# Allegro board 6089-103-RevA_73.brd (continued)
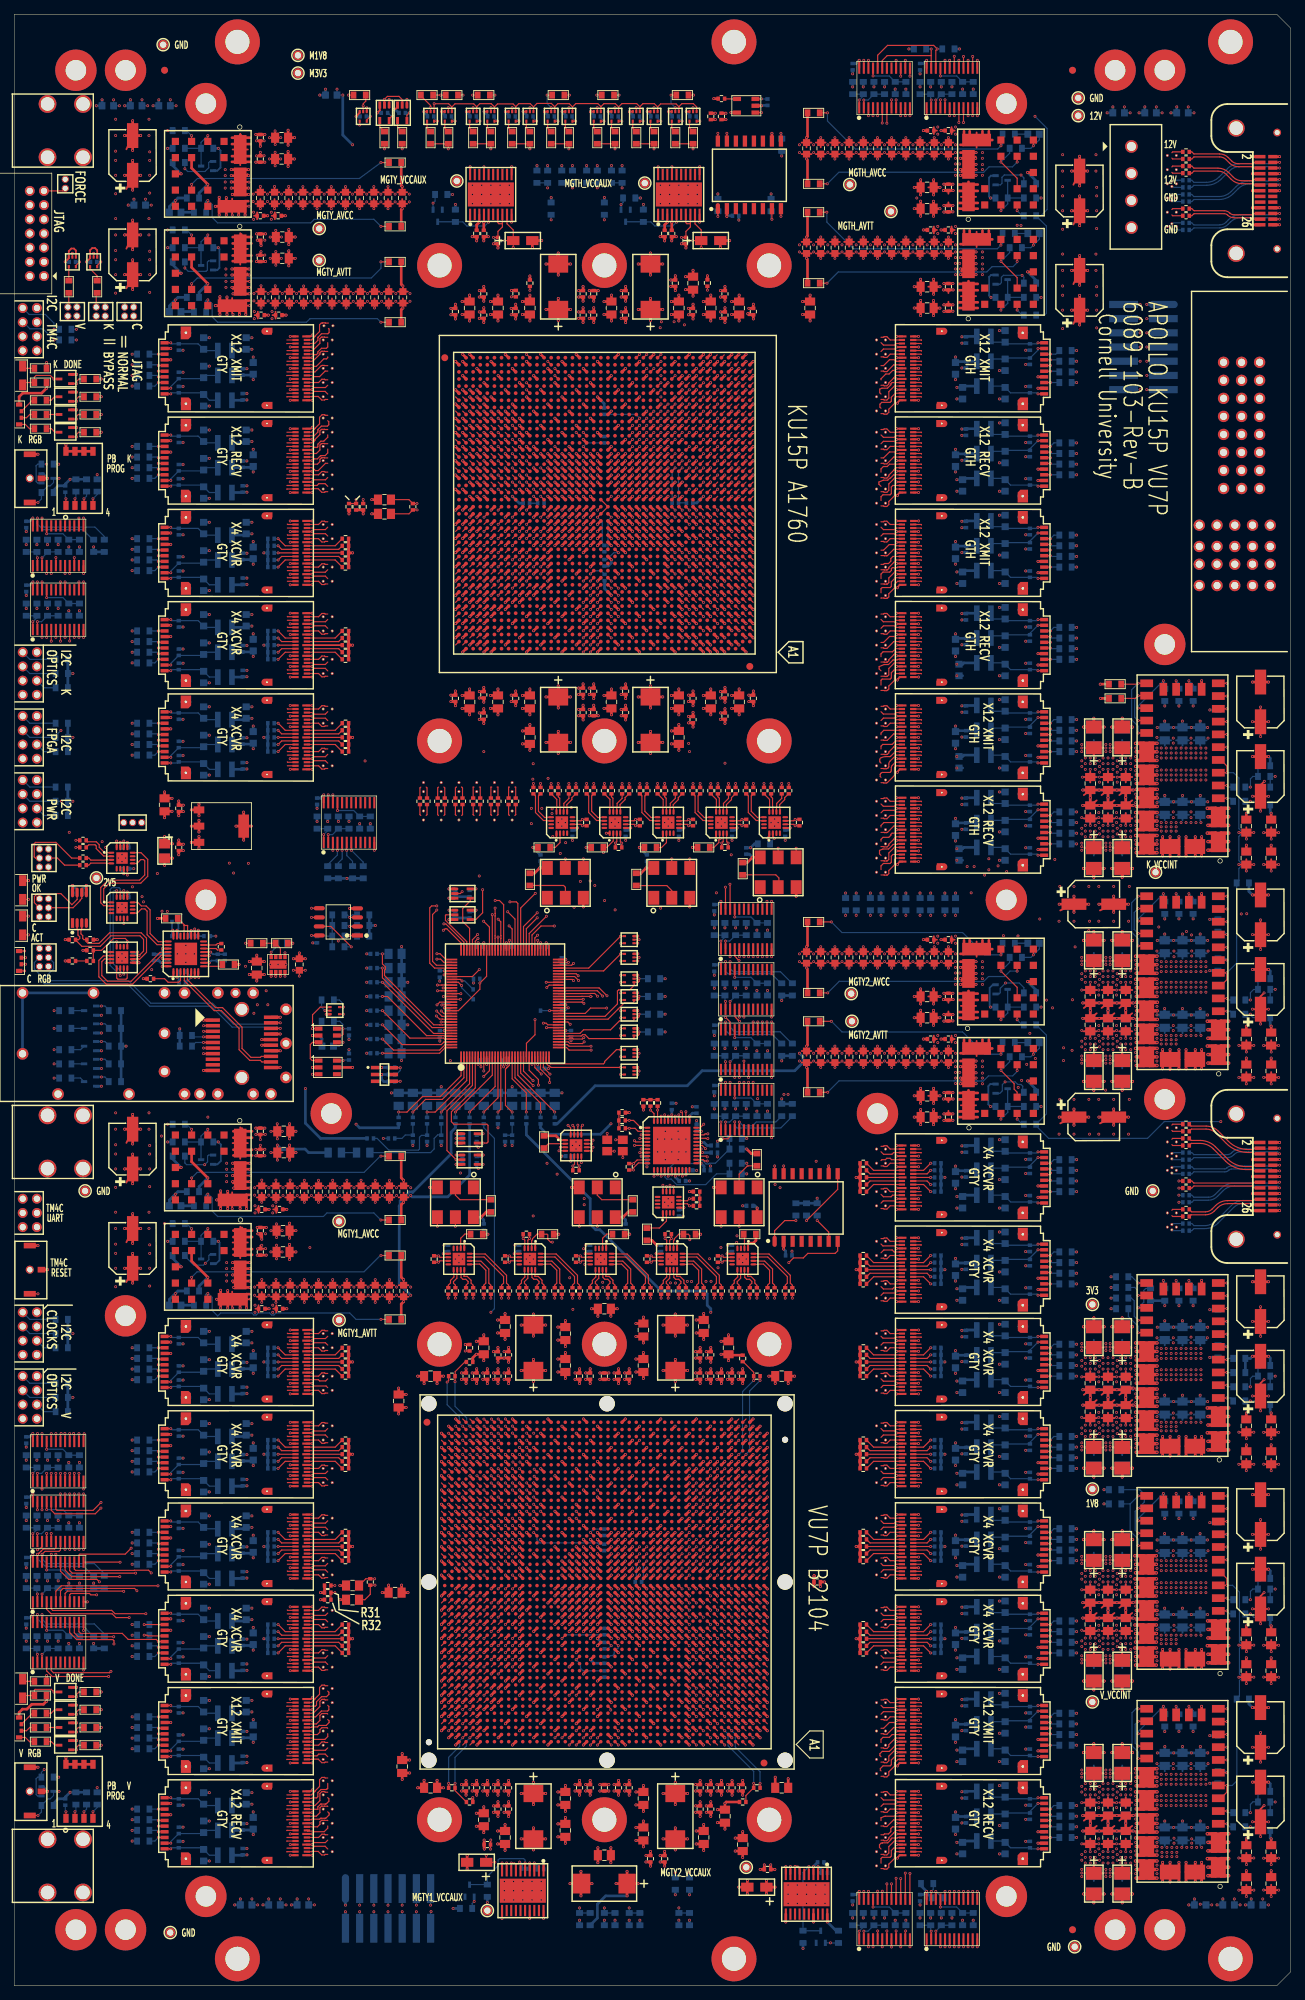
[diagram p0: board, top side]
## Routing (per net, layer and track width the routed paths; a pad name or vN(x,y) marks a point on that pad's centre or on a via; arc(x,y) is an arc through that point) (continued)
; VA94.4 121.38,169.49 ; 2.32,88.9 J7.8 ; J7.8 4.08,88.9 ; J7.8 3.2,88.02 ; J7.8 3.87,88.23 ; J7.8 2.53,89.57 ; J7.8 2.53,88.23 ; J7.8 3.2,89.78 ; J7.8 3.87,89.57 ; 121.15,98.71 VA107.4 ; VA107.4 121.24,98.58 ; VA107.4 121.24,99.22 ; VA107.4 121.15,99.09 ; VA107.4 121.38,98.49 ; VA107.4 121.18,98.9 ; VA107.4 121.56,98.52 ; VA107.4 121.56,99.28 ; 162.15,108.71 VA147.4 ; VA147.4 162.38,108.49 ; VA147.4 162.24,109.22 ; VA147.4 162.24,108.58 ; VA147.4 162.56,108.52 ; VA147.4 162.18,108.9 ; VA147.4 162.15,109.09 ; VA147.4 162.56,109.28 ; 14.74,163.9 J16.1 ; J16.1 15.43,163.21 ; J16.1 14.89,164.44 ; J16.1 15.13,163.21 ; J16.1 14.89,163.36 ; J16.1 15.43,164.59 ; J16.1 15.97,163.36 ; J16.1 15.97,164.44 ; VA30.3 45.22,72.9 ; VA30.3 44.84,72.52 ; VA30.3 45.16,73.22 ; VA30.3 45.25,72.71 ; VA30.3 44.84,73.28 ; VA30.3 45.16,72.58 ; VA30.3 45.25,73.09 ; VA30.3 45.02,73.31 ; 121.38,216.49 VA72.4 ; VA72.4 121.56,216.52 ; VA72.4 121.18,216.9 ; VA72.4 121.24,216.58 ; VA72.4 121.24,217.22 ; VA72.4 121.15,217.09 ; VA72.4 121.15,216.71 ; VA72.4 121.56,217.28 ; VA37.4 44.84,51.28 ; VA37.4 45.22,50.9 ; VA37.4 45.25,51.09 ; VA37.4 45.25,50.71 ; VA37.4 45.16,50.58 ; VA37.4 44.84,50.52 ; VA37.4 45.02,51.31 ; VA37.4 45.16,51.22 ; VA11.4 45.25,210.71 ; VA11.4 45.25,211.09 ; VA11.4 45.16,210.58 ; VA11.4 45.02,211.31 ; VA11.4 44.84,210.52 ; VA11.4 45.22,210.9 ; VA11.4 45.16,211.22 ; VA11.4 44.84,211.28 ; 57.38,169.86 VA53.4 ; VA53.4 57.7,169.92 ; VA53.4 58.08,169.53 ; VA53.4 58.11,169.72 ; VA53.4 57.89,169.95 ; VA53.4 57.29,169.72 ; VA53.4 57.32,169.53 ; VA53.4 58.02,169.86 ; 121.38,89.49 VA110.3 ; VA110.3 121.24,89.58 ; VA110.3 121.15,90.09 ; VA110.3 121.18,89.9 ; VA110.3 121.24,90.22 ; VA110.3 121.56,90.28 ; VA110.3 121.56,89.52 ; VA110.3 121.15,89.71 ; 44.84,76.52 VA29.4 ; VA29.4 45.25,77.09 ; VA29.4 45.02,77.31 ; VA29.4 45.16,77.22 ; VA29.4 45.22,76.9 ; VA29.4 45.25,76.71 ; VA29.4 44.84,77.28 ; VA29.4 45.16,76.58 ; 121.24,53.22 VA121.3 ; VA121.3 121.56,52.52 ; VA121.3 121.24,52.58 ; VA121.3 121.15,53.09 ; VA121.3 121.18,52.9 ; VA121.3 121.15,52.71 ; VA121.3 121.56,53.28 ; VA121.3 121.38,52.49 ; J5.7 2.08,163.9 ; J5.7 1.87,163.23 ; J5.7 1.2,164.78 ; J5.7 2.07,164.28 ; J5.7 1.58,164.77 ; J5.7 1.2,163.02 ; J5.7 2.07,163.52 ; J5.7 1.87,164.57 ; VA9.4 45.02,215.31 ; VA9.4 45.16,215.22 ; VA9.4 45.25,214.71 ; VA9.4 44.84,214.52 ; VA9.4 45.16,214.58 ; VA9.4 45.25,215.09 ; VA9.4 44.84,215.28 ; VA9.4 45.22,214.9 ; 162.18,257.9 VA137.4 ; VA137.4 162.24,257.58 ; VA137.4 162.56,257.52 ; VA137.4 162.38,257.49 ; VA137.4 162.15,257.71 ; VA137.4 162.56,258.28 ; VA137.4 162.24,258.22 ; VA137.4 162.15,258.09 ; VA88.3 122.83,183.28 ; VA88.3 123.02,183.31 ; VA88.3 123.22,182.9 ; VA88.3 122.83,182.52 ; VA88.3 123.16,182.58 ; VA88.3 123.25,183.09 ; VA88.3 123.25,182.71 ; VA88.3 123.16,183.22 ; 44.94,233.9 45.35,233.71 ; 44.94,233.9 45.26,233.58 ; 44.94,233.9 44.94,234.28 ; 44.94,233.9 45.26,234.22 ; 44.94,233.9 45.35,234.09 ; 44.94,233.9 44.94,233.52 ; 44.94,233.9 45.12,234.31 ; 44.94,233.9 45.32,233.9 ; 121.24,209.22 VA76.4 ; VA76.4 121.56,209.28 ; VA76.4 121.15,209.09 ; VA76.4 121.15,208.71 ; VA76.4 121.18,208.9 ; VA76.4 121.38,208.49 ; VA76.4 121.56,208.52 ; VA76.4 121.24,208.58 ; 176.33,206.54 P1.P2-2 ; P1.P2-2 176.09,205.8 ; P1.P2-2 177.81,205.06 ; P1.P2-2 177.07,204.82 ; P1.P2-2 176.33,205.06 ; P1.P2-2 178.05,205.8 ; P1.P2-2 177.81,206.54 ; P1.P2-2 177.07,206.78 ; VA43.4 44.84,36.28 ; VA43.4 45.16,35.58 ; VA43.4 45.25,35.71 ; VA43.4 45.25,36.09 ; VA43.4 45.16,36.22 ; VA43.4 45.22,35.9 ; VA43.4 44.84,35.52 ; VA43.4 45.02,36.31 ; 121.15,63.71 VA118.3 ; VA118.3 121.24,63.58 ; VA118.3 121.24,64.22 ; VA118.3 121.15,64.09 ; VA118.3 121.56,64.28 ; VA118.3 121.56,63.52 ; VA118.3 121.38,63.49 ; VA118.3 121.18,63.9 ; U114.G1 142.19,57.84 ; U114.G1 141.79,55.97 ; U114.G1 142.91,57.62 ; U114.G1 141.25,56.9 ; U114.G1 141.47,56.18 ; U114.G1 141.47,57.62 ; U114.G1 142.19,55.96 ; U114.G1 142.91,56.18 ; VA100.3 123.16,157.22 ; VA100.3 123.16,156.58 ; VA100.3 122.83,157.28 ; VA100.3 123.02,157.31 ; VA100.3 123.25,156.71 ; VA100.3 123.25,157.09 ; VA100.3 122.83,156.52 ; VA100.3 123.22,156.9 ; 43.15,184.71 43.56,184.9 ; 43.56,184.9 43.24,184.58 ; 43.56,184.9 43.15,185.09 ; 43.56,184.9 43.38,184.49 ; 43.56,184.9 43.56,185.28 ; 43.56,184.9 43.56,184.52 ; 43.56,184.9 43.18,184.9 ; 43.56,184.9 43.24,185.22 ; VA44.4 45.25,33.71 ; VA44.4 44.84,33.52 ; VA44.4 45.22,33.9 ; VA44.4 45.02,34.31 ; VA44.4 44.84,34.28 ; VA44.4 45.16,33.58 ; VA44.4 45.16,34.22 ; VA44.4 45.25,34.09 ; P1.14 174.01,223.67 ; P1.14 173.03,224.65 ; P1.14 173.77,224.41 ; P1.14 173.77,222.93 ; P1.14 172.29,222.93 ; P1.14 172.29,224.41 ; P1.14 172.05,223.67 ; P1.14 173.03,222.69 ; 23.49,184.62 U23.G2 ; U23.G2 24.21,184.84 ; U23.G2 23.49,183.18 ; U23.G2 24.93,184.62 ; U23.G2 25.15,183.9 ; U23.G2 24.93,183.18 ; U23.G2 23.81,182.97 ; U23.G2 24.21,182.96 ; VA6.4 45.25,220.71 ; VA6.4 45.25,221.09 ; VA6.4 45.16,220.58 ; VA6.4 45.16,221.22 ; VA6.4 44.84,220.52 ; VA6.4 45.22,220.9 ; VA6.4 44.84,221.28 ; VA6.4 45.02,221.31 ; 122.83,225.52 VA68.3 ; VA68.3 123.22,225.9 ; VA68.3 123.25,225.71 ; VA68.3 123.02,226.31 ; VA68.3 123.25,226.09 ; VA68.3 123.16,225.58 ; VA68.3 123.16,226.22 ; VA68.3 122.83,226.28 ; 172.29,225.47 P1.15 ; P1.15 173.03,227.19 ; P1.15 173.03,225.23 ; P1.15 172.29,226.95 ; P1.15 173.77,226.95 ; P1.15 173.77,225.47 ; P1.15 172.05,226.21 ; P1.15 174.01,226.21 ; 121.18,83.9 VA112.4 ; VA112.4 121.15,83.71 ; VA112.4 121.24,83.58 ; VA112.4 121.56,84.28 ; VA112.4 121.56,83.52 ; VA112.4 121.24,84.22 ; VA112.4 121.15,84.09 ; VA112.4 121.38,83.49 ; 121.18,31.9 VA129.4 ; VA129.4 121.15,32.09 ; VA129.4 121.15,31.71 ; VA129.4 121.24,32.22 ; VA129.4 121.38,31.49 ; VA129.4 121.56,31.52 ; VA129.4 121.24,31.58 ; VA129.4 121.56,32.28 ; 43.15,20.71 43.56,20.9 ; 43.56,20.9 43.56,21.28 ; 43.56,20.9 43.18,20.9 ; 43.56,20.9 43.15,21.09 ; 43.56,20.9 43.56,20.52 ; 43.56,20.9 43.24,20.58 ; 43.56,20.9 43.24,21.22 ; 43.56,20.9 43.38,20.49 ; VA134.3 123.25,21.09 ; VA134.3 123.16,21.22 ; VA134.3 123.16,20.58 ; VA134.3 122.83,21.28 ; VA134.3 123.25,20.71 ; VA134.3 123.02,21.31 ; VA134.3 122.83,20.52 ; VA134.3 123.22,20.9 ; P1.P2-6 172.81,206.54 ; P1.P2-6 172.07,204.82 ; P1.P2-6 171.33,205.06 ; P1.P2-6 172.81,205.06 ; P1.P2-6 172.07,206.78 ; P1.P2-6 173.05,205.8 ; P1.P2-6 171.09,205.8 ; P1.P2-6 171.33,206.54 ; 163.84,114.9 163.84,115.28 ; 163.84,114.9 163.84,114.52 ; 163.84,114.9 164.16,115.22 ; 163.84,114.9 164.02,115.31 ; 163.84,114.9 164.25,115.09 ; 163.84,114.9 164.16,114.58 ; 163.84,114.9 164.22,114.9 ; 163.84,114.9 164.25,114.71 ; U20.G2 24.93,222.18 ; U20.G2 23.49,223.62 ; U20.G2 24.21,223.84 ; U20.G2 23.81,221.97 ; U20.G2 25.15,222.9 ; U20.G2 23.49,222.18 ; U20.G2 24.93,223.62 ; U20.G2 24.21,221.96 ; 167.07,204.82 P1.P2-10 ; P1.P2-10 167.81,206.54 ; P1.P2-10 166.33,206.54 ; P1.P2-10 168.05,205.8 ; P1.P2-10 167.07,206.78 ; P1.P2-10 166.09,205.8 ; P1.P2-10 166.33,205.06 ; P1.P2-10 167.81,205.06 ; 67.7,164.26 68.08,164.26 ; 67.7,164.26 67.51,163.85 ; 67.7,164.26 67.32,164.26 ; 67.7,164.26 68.11,164.08 ; 67.7,164.26 68.02,163.94 ; 67.7,164.26 67.29,164.08 ; 67.7,164.26 67.7,163.88 ; 67.7,164.26 67.38,163.94 ; VA7.4 45.16,219.22 ; VA7.4 45.25,219.09 ; VA7.4 45.22,218.9 ; VA7.4 44.84,218.52 ; VA7.4 44.84,219.28 ; VA7.4 45.02,219.31 ; VA7.4 45.16,218.58 ; VA7.4 45.25,218.71 ; VA15.3 45.16,197.58 ; VA15.3 45.02,198.31 ; VA15.3 44.84,197.52 ; VA15.3 45.25,197.71 ; VA15.3 45.25,198.09 ; VA15.3 45.22,197.9 ; VA15.3 45.16,198.22 ; VA15.3 44.84,198.28 ; U24.G1 25.15,180.9 ; U24.G1 23.49,180.18 ; U24.G1 24.93,180.18 ; U24.G1 23.49,181.62 ; U24.G1 23.81,179.97 ; U24.G1 24.21,181.84 ; U24.G1 24.21,179.96 ; U24.G1 24.93,181.62 ; 20.33,272.83 PM21.1 ; PM21.1 21,274.38 ; PM21.1 21.67,274.17 ; PM21.1 21.88,273.5 ; PM21.1 21.67,272.83 ; PM21.1 20.33,274.17 ; PM21.1 20.12,273.5 ; PM21.1 21,272.62 ; VA36.4 45.02,53.31 ; VA36.4 45.16,52.58 ; VA36.4 45.25,52.71 ; VA36.4 44.84,53.28 ; VA36.4 44.84,52.52 ; VA36.4 45.25,53.09 ; VA36.4 45.22,52.9 ; VA36.4 45.16,53.22 ; VA46.4 45.25,29.09 ; VA46.4 45.02,29.31 ; VA46.4 45.16,29.22 ; VA46.4 45.25,28.71 ; VA46.4 44.84,28.52 ; VA46.4 45.22,28.9 ; VA46.4 44.84,29.28 ; VA46.4 45.16,28.58 ; VA24.4 45.02,92.31 ; VA24.4 44.84,92.28 ; VA24.4 45.16,91.58 ; VA24.4 45.16,92.22 ; VA24.4 45.25,91.71 ; VA24.4 44.84,91.52 ; VA24.4 45.22,91.9 ; VA24.4 45.25,92.09 ; VA38.3 44.84,47.28 ; VA38.3 45.22,46.9 ; VA38.3 45.02,47.31 ; VA38.3 45.16,46.58 ; VA38.3 45.25,47.09 ; VA38.3 45.25,46.71 ; VA38.3 45.16,47.22 ; VA38.3 44.84,46.52 ; 43.24,78.58 43.56,78.9 ; 43.56,78.9 43.15,79.09 ; 43.56,78.9 43.15,78.71 ; 43.56,78.9 43.18,78.9 ; 43.56,78.9 43.56,79.28 ; 43.56,78.9 43.56,78.52 ; 43.56,78.9 43.38,78.49 ; 43.56,78.9 43.24,79.22 ; 24.21,218.96 U21.G1 ; U21.G1 23.81,218.97 ; U21.G1 24.93,220.62 ; U21.G1 24.93,219.18 ; U21.G1 23.49,219.18 ; U21.G1 24.21,220.84 ; U21.G1 23.49,220.62 ; U21.G1 25.15,219.9 ; 23.81,81.97 U25.G2 ; U25.G2 24.21,83.84 ; U25.G2 24.93,82.18 ; U25.G2 23.49,82.18 ; U25.G2 23.49,83.62 ; U25.G2 25.15,82.9 ; U25.G2 24.21,81.96 ; U25.G2 24.93,83.62 ; 141.79,179.97 U108.G2 ; U108.G2 142.91,180.18 ; U108.G2 141.47,181.62 ; U108.G2 142.19,179.96 ; U108.G2 142.91,181.62 ; U108.G2 141.47,180.18 ; U108.G2 141.25,180.9 ; U108.G2 142.19,181.84 ; 43.15,204.09 43.56,203.9 ; 43.56,203.9 43.24,204.22 ; 43.56,203.9 43.15,203.71 ; 43.56,203.9 43.56,203.52 ; 43.56,203.9 43.24,203.58 ; 43.56,203.9 43.56,204.28 ; 43.56,203.9 43.18,203.9 ; 43.56,203.9 43.38,203.49 ; VA117.4 123.16,65.58 ; VA117.4 122.83,65.52 ; VA117.4 123.25,66.09 ; VA117.4 123.02,66.31 ; VA117.4 122.83,66.28 ; VA117.4 123.25,65.71 ; VA117.4 123.22,65.9 ; VA117.4 123.16,66.22 ; VA22.3 45.16,173.58 ; VA22.3 45.22,173.9 ; VA22.3 44.84,173.52 ; VA22.3 45.16,174.22 ; VA22.3 45.25,174.09 ; VA22.3 45.02,174.31 ; VA22.3 44.84,174.28 ; VA22.3 45.25,173.71 ; VA34.3 44.84,60.28 ; VA34.3 45.16,60.22 ; VA34.3 45.02,60.31 ; VA34.3 45.25,60.09 ; VA34.3 45.16,59.58 ; VA34.3 45.25,59.71 ; VA34.3 44.84,59.52 ; VA34.3 45.22,59.9 ; VA27.3 45.16,84.22 ; VA27.3 45.16,83.58 ; VA27.3 44.84,83.52 ; VA27.3 45.25,83.71 ; VA27.3 45.25,84.09 ; VA27.3 44.84,84.28 ; VA27.3 45.02,84.31 ; VA27.3 45.22,83.9 ; VA69.3 123.25,223.71 ; VA69.3 123.02,224.31 ; VA69.3 123.22,223.9 ; VA69.3 123.16,224.22 ; VA69.3 122.83,223.52 ; VA69.3 123.16,223.58 ; VA69.3 122.83,224.28 ; VA69.3 123.25,224.09 ; 43.56,28.52 43.56,28.9 ; 43.56,28.9 43.24,29.22 ; 43.56,28.9 43.15,29.09 ; 43.56,28.9 43.56,29.28 ; 43.56,28.9 43.15,28.71 ; 43.56,28.9 43.38,28.49 ; 43.56,28.9 43.18,28.9 ; 43.56,28.9 43.24,28.58 ; VA31.3 45.25,70.71 ; VA31.3 44.84,70.52 ; VA31.3 44.84,71.28 ; VA31.3 45.16,71.22 ; VA31.3 45.22,70.9 ; VA31.3 45.16,70.58 ; VA31.3 45.02,71.31 ; VA31.3 45.25,71.09 ; 121.15,165.09 VA96.4 ; VA96.4 121.15,164.71 ; VA96.4 121.24,164.58 ; VA96.4 121.56,165.28 ; VA96.4 121.18,164.9 ; VA96.4 121.38,164.49 ; VA96.4 121.24,165.22 ; VA96.4 121.56,164.52 ; P1.10 173.03,214.49 ; P1.10 173.03,212.53 ; P1.10 173.77,214.25 ; P1.10 173.77,212.77 ; P1.10 172.29,214.25 ; P1.10 174.01,213.51 ; P1.10 172.05,213.51 ; P1.10 172.29,212.77 ; VA70.3 123.16,221.58 ; VA70.3 123.22,221.9 ; VA70.3 122.83,222.28 ; VA70.3 122.83,221.52 ; VA70.3 123.16,222.22 ; VA70.3 123.25,221.71 ; VA70.3 123.25,222.09 ; VA70.3 123.02,222.31 ; 43.56,173.9 43.56,174.28 ; 43.56,173.9 43.24,174.22 ; 43.56,173.9 43.15,173.71 ; 43.56,173.9 43.15,174.09 ; 43.56,173.9 43.56,173.52 ; 43.56,173.9 43.24,173.58 ; 43.56,173.9 43.18,173.9 ; 43.56,173.9 43.38,173.49 ; VA130.3 123.22,29.9 ; VA130.3 122.83,29.52 ; VA130.3 123.16,30.22 ; VA130.3 123.16,29.58 ; VA130.3 123.25,30.09 ; VA130.3 122.83,30.28 ; VA130.3 123.25,29.71 ; VA130.3 123.02,30.31 ; VA96.3 123.22,164.9 ; VA96.3 123.25,165.09 ; VA96.3 123.25,164.71 ; VA96.3 123.02,165.31 ; VA96.3 122.83,165.28 ; VA96.3 123.16,165.22 ; VA96.3 123.16,164.58 ; VA96.3 122.83,164.52 ; VA2.4 45.22,229.9 ; VA2.4 45.25,230.09 ; VA2.4 45.16,229.58 ; VA2.4 45.02,230.31 ; VA2.4 44.84,230.28 ; VA2.4 45.25,229.71 ; VA2.4 45.16,230.22 ; VA2.4 44.84,229.52 ; 2.32,181.9 J3.8 ; J3.8 3.2,181.02 ; J3.8 3.87,181.23 ; J3.8 4.08,181.9 ; J3.8 3.87,182.57 ; J3.8 2.53,181.23 ; J3.8 3.2,182.78 ; J3.8 2.53,182.57 ; 162.15,121.09 VA143.4 ; VA143.4 162.56,121.28 ; VA143.4 162.24,121.22 ; VA143.4 162.38,120.49 ; VA143.4 162.15,120.71 ; VA143.4 162.24,120.58 ; VA143.4 162.56,120.52 ; VA143.4 162.18,120.9 ; 163.84,249.9 164.22,249.9 ; 163.84,249.9 164.25,250.09 ; 163.84,249.9 164.02,250.31 ; 163.84,249.9 164.16,250.22 ; 163.84,249.9 164.25,249.71 ; 163.84,249.9 163.84,250.28 ; 163.84,249.9 163.84,249.52 ; 163.84,249.9 164.16,249.58 ; VA113.4 123.16,78.58 ; VA113.4 123.16,79.22 ; VA113.4 123.25,78.71 ; VA113.4 123.22,78.9 ; VA113.4 122.83,78.52 ; VA113.4 123.02,79.31 ; VA113.4 122.83,79.28 ; VA113.4 123.25,79.09 ; 121.38,78.49 VA113.3 ; VA113.3 121.15,78.71 ; VA113.3 121.56,79.28 ; VA113.3 121.24,78.58 ; VA113.3 121.24,79.22 ; VA113.3 121.56,78.52 ; VA113.3 121.15,79.09 ; VA113.3 121.18,78.9 ; 122.83,91.52 VA109.4 ; VA109.4 123.25,92.09 ; VA109.4 123.02,92.31 ; VA109.4 122.83,92.28 ; VA109.4 123.25,91.71 ; VA109.4 123.16,92.22 ; VA109.4 123.16,91.58 ; VA109.4 123.22,91.9 ; U104.G1 142.19,223.84 ; U104.G1 141.47,222.18 ; U104.G1 142.19,221.96 ; U104.G1 142.91,222.18 ; U104.G1 141.47,223.62 ; U104.G1 142.91,223.62 ; U104.G1 141.79,221.97 ; U104.G1 141.25,222.9 ; VA94.3 123.16,169.58 ; VA94.3 123.25,170.09 ; VA94.3 123.02,170.31 ; VA94.3 122.83,170.28 ; VA94.3 123.25,169.71 ; VA94.3 122.83,169.52 ; VA94.3 123.22,169.9 ; VA94.3 123.16,170.22 ; 44.84,223.52 VA5.4 ; VA5.4 45.16,224.22 ; VA5.4 45.25,224.09 ; VA5.4 45.22,223.9 ; VA5.4 44.84,224.28 ; VA5.4 45.16,223.58 ; VA5.4 45.02,224.31 ; VA5.4 45.25,223.71 ; VA78.4 121.56,204.28 ; VA78.4 121.15,204.09 ; VA78.4 121.38,203.49 ; VA78.4 121.56,203.52 ; VA78.4 121.18,203.9 ; VA78.4 121.15,203.71 ; VA78.4 121.24,204.22 ; VA78.4 121.24,203.58 ; J6.5 1.87,106.23 ; J6.5 2.08,106.9 ; J6.5 1.87,107.57 ; J6.5 1.58,107.77 ; J6.5 1.2,107.78 ; J6.5 2.07,107.28 ; J6.5 2.07,106.52 ; J6.5 1.2,106.02 ; 121.15,18.71 VA135.4 ; VA135.4 121.56,19.28 ; VA135.4 121.38,18.49 ; VA135.4 121.56,18.52 ; VA135.4 121.18,18.9 ; VA135.4 121.24,18.58 ; VA135.4 121.15,19.09 ; VA135.4 121.24,19.22 ; 43.56,179.52 43.56,179.9 ; 43.56,179.9 43.18,179.9 ; 43.56,179.9 43.24,180.22 ; 43.56,179.9 43.56,180.28 ; 43.56,179.9 43.15,180.09 ; 43.56,179.9 43.38,179.49 ; 43.56,179.9 43.15,179.71 ; 43.56,179.9 43.24,179.58 ; VA10.4 45.16,213.22 ; VA10.4 45.02,213.31 ; VA10.4 44.84,212.52 ; VA10.4 45.25,213.09 ; VA10.4 45.16,212.58 ; VA10.4 45.22,212.9 ; VA10.4 44.84,213.28 ; VA10.4 45.25,212.71 ; 6.18,124.77 6.18,125.65 ; 6.18,125.65 6.85,126.32 ; 6.18,125.65 5.51,124.98 ; 6.18,125.65 6.18,126.53 ; 6.18,125.65 5.51,126.32 ; 6.18,125.65 7.06,125.65 ; 6.18,125.65 5.3,125.65 ; 6.18,125.65 6.85,124.98 ; 57.29,164.08 57.7,164.26 ; 57.7,164.26 58.08,164.26 ; 57.7,164.26 57.7,163.88 ; 57.7,164.26 57.32,164.26 ; 57.7,164.26 57.51,163.85 ; 57.7,164.26 58.11,164.08 ; 57.7,164.26 58.02,163.94 ; 57.7,164.26 57.38,163.94 ; VA54.4 57.7,165.92 ; VA54.4 57.89,165.95 ; VA54.4 57.32,165.53 ; VA54.4 58.08,165.53 ; VA54.4 58.02,165.86 ; VA54.4 58.11,165.72 ; VA54.4 57.29,165.72 ; VA54.4 57.38,165.86 ; VA108.3 123.25,97.09 ; VA108.3 123.02,97.31 ; VA108.3 122.83,96.52 ; VA108.3 122.83,97.28 ; VA108.3 123.25,96.71 ; VA108.3 123.22,96.9 ; VA108.3 123.16,96.58 ; VA108.3 123.16,97.22 ; 69.88,165.86 VA64.4 ; VA64.4 70.39,165.95 ; VA64.4 69.79,165.72 ; VA64.4 70.61,165.72 ; VA64.4 70.2,165.92 ; VA64.4 69.82,165.53 ; VA64.4 70.52,165.86 ; VA64.4 70.58,165.53 ; 163.84,106.9 164.16,107.22 ; 163.84,106.9 164.25,106.71 ; 163.84,106.9 164.22,106.9 ; 163.84,106.9 164.16,106.58 ; 163.84,106.9 164.25,107.09 ; 163.84,106.9 163.84,106.52 ; 163.84,106.9 164.02,107.31 ; 163.84,106.9 163.84,107.28 ; U24.G2 24.93,171.62 ; U24.G2 24.21,171.84 ; U24.G2 23.49,170.18 ; U24.G2 23.81,169.97 ; U24.G2 23.49,171.62 ; U24.G2 24.21,169.96 ; U24.G2 24.93,170.18 ; U24.G2 25.15,170.9